# Altium PCB BMS_Carrier_Board.PcbDoc (part 2 of 2)
Units mm, origin at the board's own origin, x right, y up, seen from the top; angles counter-clockwise.
Board outline 65.4 x 73 mm, 2 copper layers (Top Layer, Bottom Layer); 112 components, 82 nets, 454 pads, 145 vias.
Unrouted connection lines stored in the file: 5.
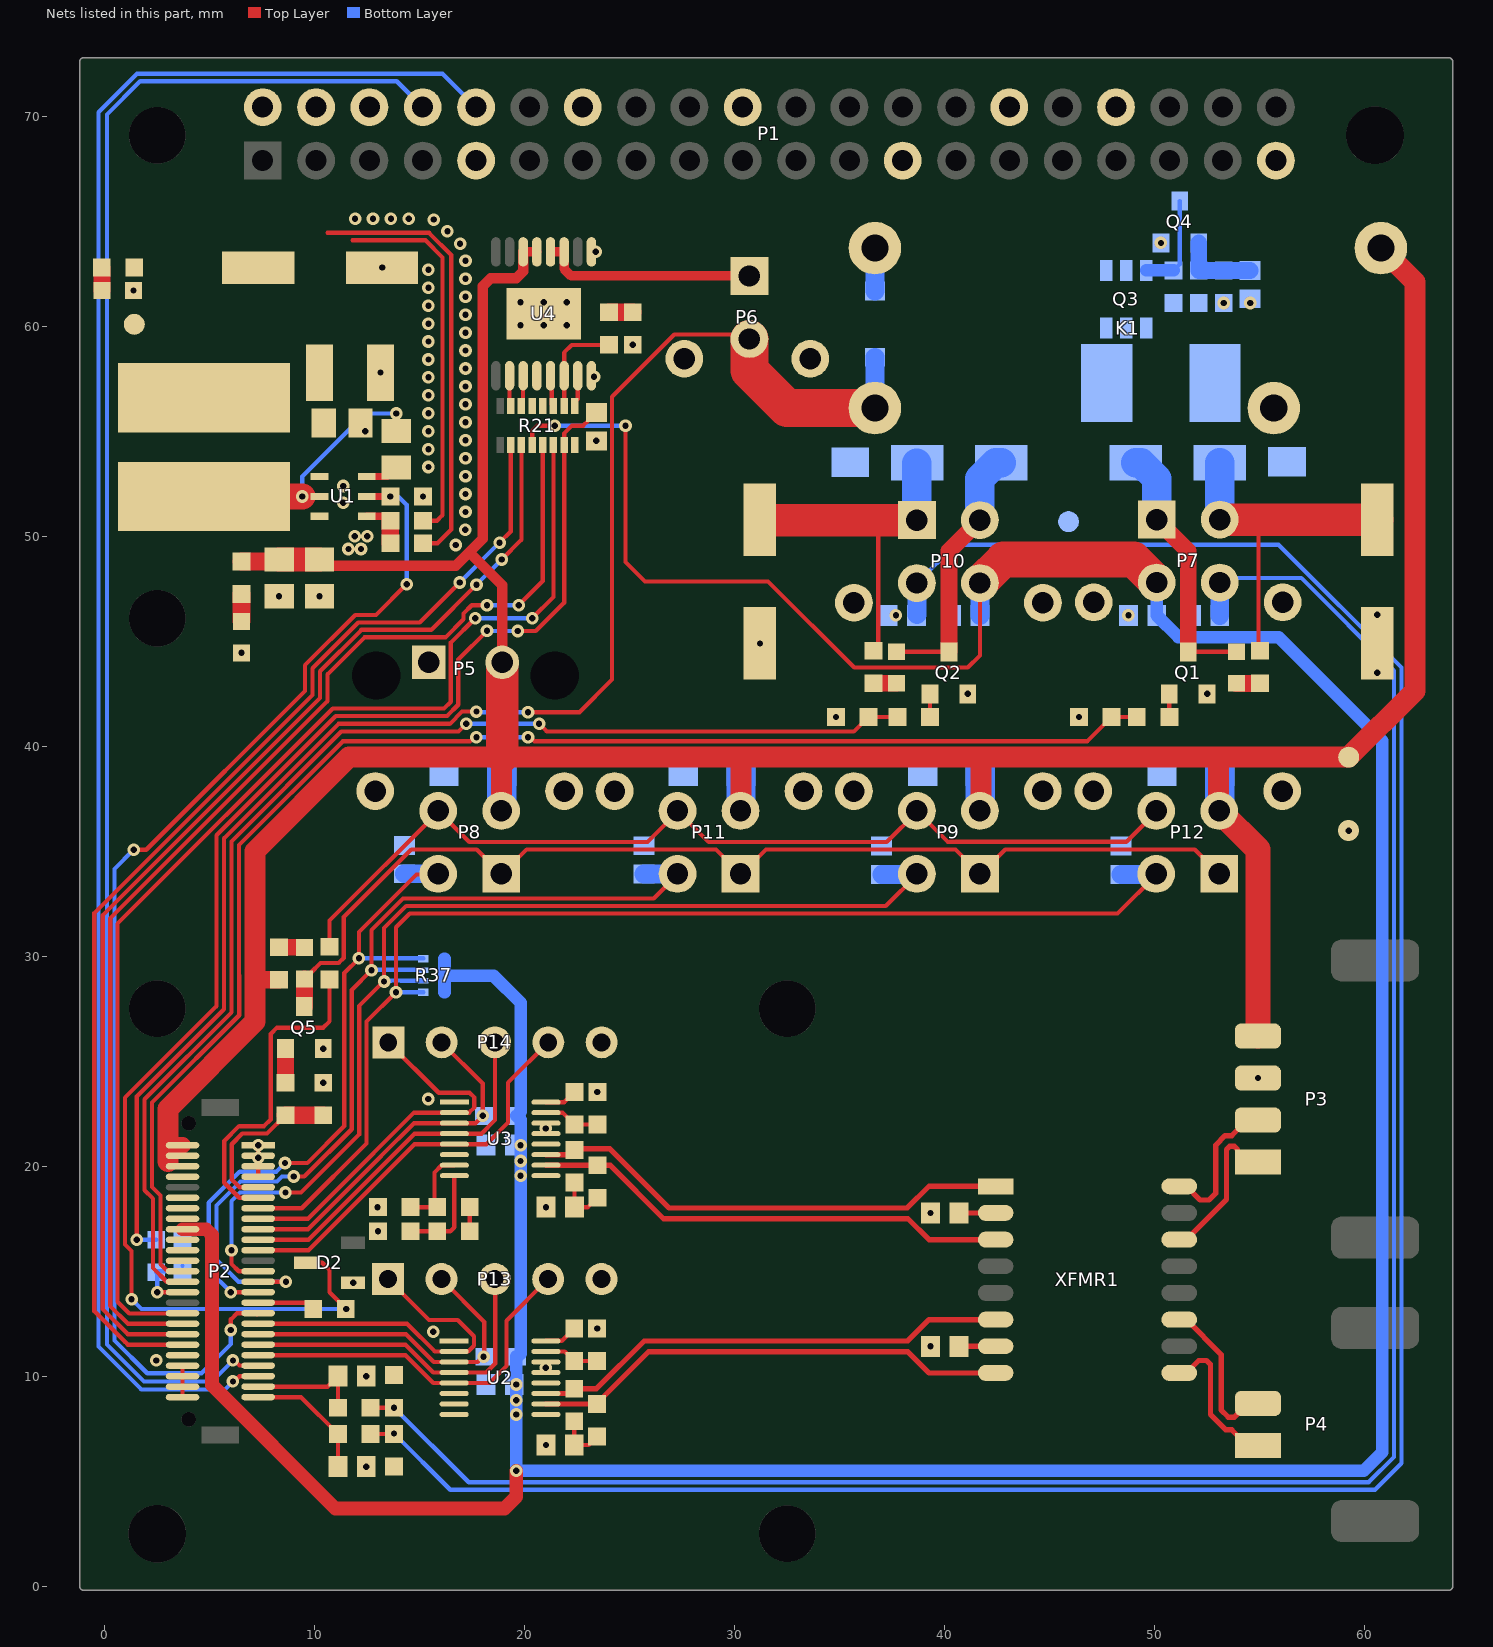
[diagram p2: the nets of this part, all layers, seen from the top]

## Part data (continued)
R29: "10 Ohms ?% 16W Chip Resistor 2512 (6432 Metric) Moisture Resistant Thin Film", Operating Temperature="-55癈 ~ 155癈", Package / Case="2512 (6432 Metric)", Power=16W, Resistance="10 Ohms", Supplier Device Package=2512, Supplier Part Number 1=CPA25Q10.0CT-ND, Temperature Coefficient=?0ppm/癈, Tolerance=?%, ComponentLink1Description=Datasheet, ComponentLink1URL=https://www.susumu.co.jp/common/pdf/CPA.pdf, ComponentLink2Description="Application Note", ComponentLink2URL=https://media.digikey.com/pdf/Data%20Sheets/Susumu%20PDFs/CPA2512%20Series%20Appl%20Note.pdf, Composition="Thin Film", Failure Rate=-, Height - Seated (Max)="0.031\" (0.80mm)", Packaging="Cut Tape (CT)", Part Status=Active, Size / Dimension="0.248\" L x 0.126\" W (6.30mm x 3.20mm)", Supplier 1=Digi-Key
R32: "RES SMD 26.1K OHM 1% 1/10W 0603", Manufacturer 1=Yageo, Manufacturer Part Number 1=RC0603FR-0726K1L, Operating Temperature="-55癈 ~ 155癈", Package / Case="0603 (1608 Metric)", Power=1/10W, Resistance=26.1k, Supplier Device Package=0603, Supplier Part Number 1=311-26.1KHRCT-ND, Temperature Coefficient=?00ppm/癈, Tolerance=?%, ComponentLink1Description=http://www.yageo.com/documents/recent/PYu-RC_Group_51_RoHS_L_7.pdf, ComponentLink1URL=http://www.yageo.com/documents/recent/PYu-RC_Group_51_RoHS_L_7.pdf, Composition="Thick Film", Failure Rate=-, Height - Seated (Max)="0.022\" (0.55mm)", Packaging="Cut Tape (CT)", Part Status=Active, Size / Dimension="0.063\" L x 0.031\" W (1.60mm x 0.80mm)", Supplier 1=Digi-Key
R33 R34 R36: "RES SMD 100K OHM 5% 1/10W 0603", Manufacturer 1=Yageo, Manufacturer Part Number 1=RC0603JR-07100KL, Operating Temperature="-55癈 ~ 155癈", Package / Case="0603 (1608 Metric)", Power=1/10W, Resistance=100k, Supplier Device Package=0603, Supplier Part Number 1=311-100KGRCT-ND, Temperature Coefficient=?00ppm/癈, Tolerance=?%, ComponentLink1Description=http://www.yageo.com/documents/recent/PYu-RC_Group_51_RoHS_L_7.pdf, ComponentLink1URL=http://www.yageo.com/documents/recent/PYu-RC_Group_51_RoHS_L_7.pdf, Composition="Thick Film", Failure Rate=-, Height - Seated (Max)="0.022\" (0.55mm)", Packaging="Cut Tape (CT)", Part Status=Active, Size / Dimension="0.063\" L x 0.031\" W (1.60mm x 0.80mm)", Supplier 1=Digi-Key
R37: library part "RES ARRAY 10K OHM 1% 4RES 0804", "10k Ohm ?% 62.5mW Power Per Element Isolated 4 Resistor Network/Array ?00ppm/癈 0804, Convex, Long Side Terminals", Case/Package=0804, Manufacturer 1="Vishay Dale", Manufacturer Part Number 1=CRA04S08310K0FTD, Max Operating Temperature=155癈, Min Operating Temperature=-55癈, Number of Resistors=4, Package Quantity=1, Power Per Element=62.5mW, Resistance=10kR, Supplier Part Number 1=CRA4S810.0KACT-ND, Temperature Coefficient=100ppm/癈, Tolerance=1%, Circuit Type=Isolated, ComponentLink1Description=https://datasheet.ciiva.com/2689/cra04s-2689817.pdf, ComponentLink1URL=https://datasheet.ciiva.com/2689/cra04s-2689817.pdf, ComponentLink2Description=https://datasheet.ciiva.com/2689/cra04s-2689818.pdf, ComponentLink2URL=https://datasheet.ciiva.com/2689/cra04s-2689818.pdf, ComponentLink3Description=https://datasheet.ciiva.com/2689/cra04s-2689819.pdf, ComponentLink3URL=https://datasheet.ciiva.com/2689/cra04s-2689819.pdf, Depth=1mm, Description 1="RES ARRAY 4 RES 10K OHM 0804", Height=0.022inch, Lead Free="Lead Free", Length=0.079inch, Military Standard=Not, Mount="Surface Mount", Number of Pins=8, Number of Terminals=8, Packaging="Tape and Reel", Pricing 1="1=0.43, 10=0.305, 25=0.226, 50=0.1664, 100=0.1222, 250=0.10096, 500=0.08324, 1000=0.06021, 5000=0.05047 (USD)", Stock 1=131663, Supplier 1=Digi-Key, Terminal Pitch=0.5mm, Termination=Convex, Width=0.039inch
R41 R43: library part "RES 1K OHM 5% 1/10W 0603", "1k Ohm ?% 0.1W, 1/10W Chip Resistor 0603 (1608 Metric)", Manufacturer=Yageo, Manufacturer Part Number=RC0603JR-071KL, Operating Temperature="-55癈 ~ 155癈", Package / Case="0603 (1608 Metric)", Power (Watts)="0.1W, 1/10W", Resistance (Ohms)=1k, Supplier Device Package=0603, Supplier Part Number 1=311-1.0KGRCT-ND, Temperature Coefficient=?00ppm/癈, Tolerance=?%, Category=Resistors, ComponentLink1Description=http://www.yageo.com/documents/recent/PYu-RC_Group_51_RoHS_L_7.pdf, ComponentLink1URL=http://www.yageo.com/documents/recent/PYu-RC_Group_51_RoHS_L_7.pdf, Composition="Thick Film", Failure Rate=-, Features="Moisture Resistant", Height - Seated (Max)="0.022\" (0.55mm)", Packaging="Cut Tape (CT)", Part Status=Active, Pricing 1="1=0.15, 10=0.017, 100=0.0071, 1000=0.0032, 2500=0.00278 (CAD)", RoHS="RoHS Compliant", Size / Dimension="0.063\" L x 0.031\" W (1.60mm x 0.80mm)", Stock 1=4415240, Supplier 1=Digi-Key
U1: "Buck Switching Regulator IC Positive Adjustable 0.6V 1 Output 5A SOT-23-6 Thin, TSOT-23-6", Manufacturer="Texas Instruments", Manufacturer Part Number=TPS565201DDCT, Max Operating Temperature=125癈, Min Operating Temperature=-40癈, Supplier Part Number 1=296-47501-1-ND, Pricing 1="1 = 2.46000, 10 = 2.21100, 100 = 1.77710 (USD)", Stock 1=2226, Supplier 1=Digi-Key
U2 U3: "IC COMM INTERFACE ISOSPI 16-MSOP", Manufacturer="Linear Technology", Manufacturer Part Number=LTC6820IMS#3ZZPBF, Package / Case="16-Lead Plastic MSOP", Supplier Part Number 1=LTC6820IMS#3ZZPBF-ND, Voltage - Supply="2.7 V ~ 5.5 V", Applications="Isolated Communications Interface", Category="Integrated Circuits (ICs)", ComponentLink1Description=http://www.linear.com/docs/42317, ComponentLink1URL=http://www.linear.com/docs/42317, Interface=SPI, Mounting Type="Surface Mount", Packaging=Tube, Part Status=Active, RoHS="RoHS Compliant", Supplier 1=Digi-Key, Supplier Device Package="16-Lead Plastic MSOP"
U4: library part "IC HSD Dual-Channel 40V 1KOhm", "IC HSD Dual-Channel 40V 1KOhm", Manufacturer Part Number=TPS2H000BQPWPRQ1-ND, ComponentLink1Description=Datasheet, ComponentLink1URL=http://www.ti.com/lit/ds/symlink/tps2h000-q1.pdf, Supplier 1=Digi-Key, Supplier Part Number=296-45179-1-ND, Supplier Part Number 1=TPS2H000BQPWPRQ1-ND
XFMR1: "PULSE XFMR 1CT:1CT 350UH SMD", Inductance=350uH, Isolation Voltage=1.5kVrms, Manufacturer="Bourns Inc.", Supplier Part Number 1=PT61018AAPEL-SCT-ND, MFG_PN=PT61018AAPEL-S, Supplier=Digikey, Supplier 1=Digi-Key, Supplier_PN=PT61018AAPEL-SCT-ND

## Free pads (board coordinates)
  round 2.75 hole 2.75: 1(2.5,2.5) 4(60.5,69.1)
  round 1 smd: 5(1.4,60.1) 7(59.243,39.482)
  round 1 smd far side: 9(45.9,50.7)
  round 2.7 hole 2.7: ""(2.5,69.1) ""(2.5,27.5) ""(2.5,46.1) ""(32.5,2.5) ""(32.5,27.5)

## Via types
v1: diameter 0.6, hole 0.3, Top Layer to Bottom Layer, tented both sides, 88 vias
v2: diameter 0.6, hole 0.3, Top Layer to Bottom Layer, tented bottom, 41 vias
v3: diameter 0.6, hole 0.3, Top Layer to Bottom Layer, tented top, 9 vias
v4: diameter 0.6, hole 0.3, Top Layer to Bottom Layer, 6 vias
v5: diameter 1, hole 0.3, Top Layer to Bottom Layer, 1 vias

## Nets (pads, with @x,y where several pads share a name; then routed paths per layer and width w, separated by ;. In a path a pad name is that pad's centre, name@x,y a point inside that pad or via, vN(x,y) a via of type N, cw(c..) or ccw(c..) an arc to the next point about the centre after c; other vN are vias at no path point)
3V3: C7.1 C10.1 C13.1 C16.1 P2.40 P2.41 P2.42 P2.43 P2.44 P2.45 P7.3 P10.4 R7.1 R12.1 R13.1 R14.1 R21.4 R37.1 R37.2 R37.3 R37.4 U2.6 U2.7 U2.8 U2.9 U2.12 U3.6 U3.9 U3.12 | length 192.1
  Top Layer w0.203: R14.1@17.38,16.9 R13.1@17.38,18.05 ; R21.4@20.351,54.346 20.351,55.019 20.605,55.273 v1(21.426,55.273) ; v1(24.8,55.273) 24.8,48.776 25.726,47.85 31.59,47.85 35.691,43.749 41.1,43.749 41.678,44.327 P10.4@41.678,47.777
  Top Layer w0.65: P2.42@3.7,17 4.825,17 5.1,16.725 5.1,9.574 5.102,9.574 10.975,3.7 19.035,3.7 19.6,4.265 v1(19.6,5.5)
  Top Layer w1.7: P10.4@41.678,47.777 42.801,48.9 49,48.9 P7.3@50.099,47.8
  Bottom Layer w0.203: v1(21.426,55.273) v1(24.8,55.273)
  Bottom Layer w0.6: R37.4@16.175,28.289 R37.3@16.175,28.839 16.175,29.07 ; R37.1@16.175,29.889 R37.2@16.175,29.339 16.175,29.07 ; R7.1@19.6,10.947 R7.1@19.622,10.925 19.6,10.903 v3(19.6,9.602) v1(19.6,8.85) v1(19.6,8.174) v1(19.6,5.5) 59.962,5.5 60.846,6.384 60.846,40.254 55.9,45.2 51.138,45.2 C7.1@50.101,46.237 50.099,46.238 P7.3@50.099,47.8 ; R7.1@19.647,10.925 19.8,11.078 v1(19.8,19.549) v1(19.8,20.25) v3(19.8,21) 19.8,22.2 R12.1@19.6,22.4 19.8,22.6 19.8,27.794 18.523,29.07 16.175,29.07
  Bottom Layer w0.9: C10.1@41.678,46.237 P10.4@41.678,47.777
5V: C2.1 C3.1 C4.1 L1.2 P1.2 P1.4 pad.5 R1.1 R5.1 | length 21.9
  Top Layer w0.203: C4.1@7.3,62.8 C4.1@8.195,62.8 ; 10.6,64.455 15.444,64.455 16.5,63.4 16.5,50.327 15.847,49.675 R1.1@15.15,49.675
12V_CONTACTOR_COIL_SW: C19.1 C20.1 C22.1 C23.1 D1.2 D3.2 P7.2 P10.1 pad.9 Q3.1 Q3.2 Q3.5 Q3.6 R22.1 R28.1 R29.2 | length 39.4
  Top Layer w0.203: C22.1@31.2,50.8 C22.1@31.223,50.777 ; R28.1@36.603,44.55 36.832,44.779 36.832,50.777 ; 54.945,50.8 54.945,44.628 R22.1@55.023,44.55
  Top Layer w1.55: C22.1@31.223,50.777 36.832,50.777 P10.1@38.678,50.777 ; P7.2@53.099,50.8 54.945,50.8 C19.1@60.6,50.8
  Bottom Layer w0.203: C23.1@35.5,50.777 C23.1@35.523,50.753 ; D3.2@38.678,53.478 D3.2@38.7,53.5
  Bottom Layer w1.4: C23.1@35.5,50.777 P10.1@38.678,50.777 D3.2@38.678,53.478 ; D1.2@53.099,53.499 P7.2@53.099,50.8 C20.1@56.3,50.8
12V_KILL_SW_to_Relay: D4.2 K1.1 P6.2 R32.1 | length 75.4
  Top Layer w0.203: v1(1.516,16.5) 1.516,23.318 5.674,27.476 5.674,35.615 11.129,41.07 16.431,41.07 17.015,41.654 v1(17.698,41.654) ; v1(20.153,41.625) 22.604,41.625 24.159,43.18 24.159,56.651 27.122,59.614 30.486,59.614 P6.2@30.7,59.4
  Top Layer w1.8: P6.2@30.7,59.4 30.7,57.9 32.49,56.11 K1.1@36.678,56.11
  Bottom Layer w0.203: v1@1.516,16.5 R32.1@2.445,16.5 ; v1(17.698,41.654) 17.727,41.625 v1(20.153,41.625)
  Bottom Layer w0.9: K1.1@36.678,56.11 D4.2@36.678,58.53
+12V: C5.1 C6.1 C25.1 C26.1 C27.1 C28.1 K1.3 P2.47 P2.48 P2.49 P2.50 P3.4 P5.2 P8.3 P9.3 P11.3 P12.3 pad.7 R6.1 R38.1 U1.3 U4.13 U4.14 | length 166.6
  Top Layer w0.203: 7.151,29.155 7.176,29.18 ; C5.1@8.199,48.798 C5.1@8.299,48.898 ; C6.1@10.225,48.898 C6.1@10.525,48.598 ; 18.901,39.482 18.926,39.507
  Top Layer w0.45: U4.14@19.925,63.55 U4.13@20.575,63.55
  Top Layer w0.5: C6.1@10.525,48.598 16.718,48.598 17.36,49.24 ; P5.2@18.926,44 18.926,47.674 17.36,49.24 ; U4.14@19.925,63.55 19.925,62.636 19.589,62.3 18.376,62.3 17.998,61.922 17.998,56.915 18,56.913 18,49.88 17.36,49.24
  Top Layer w0.8: P2.50@3.55,21 P2.50@3.7,21 ; 7.139,34.982 7.151,34.982
  Top Layer w0.85: R6.1@6.5,48.798 C5.1@8.199,48.798 ; 7.176,28.88 R38.1@8.299,28.88
  Top Layer w1: 2.998,20.226 2.998,22.728 7.151,26.881 7.151,29.155 7.151,34.982 ; 7.139,34.982 11.639,39.482 18.901,39.482 ; P8.3@18.901,36.9 18.901,39.482 ; P11.3@30.301,36.9 30.301,39.482 ; P9.3@41.701,36.9 41.726,36.925 41.726,39.482 ; P12.3@53.101,36.9 53.05,36.951 53.05,39.482 ; K1.3@60.778,63.73 62.4,62.108 62.4,42.639 pad.7@59.243,39.482 53.05,39.482 ; 18.901,39.482 30.301,39.482 ; 30.301,39.482 41.726,39.482 ; 41.726,39.482 53.05,39.482
  Top Layer w1.15: C5.1@8.299,48.898 C6.1@10.225,48.898
  Top Layer w1.2: P12.3@53.101,36.9 54.92,35.081 P3.4@54.92,26.2
  Top Layer w1.55: 18.926,39.507 P5.2@18.926,44
  Bottom Layer w1.4: P8.3@18.901,36.9 C25.1@18.901,39 ; P11.3@30.301,36.9 C26.1@30.301,39 ; P9.3@41.701,36.9 C27.1@41.701,39 ; P12.3@53.075,36.925 53.101,36.951 C28.1@53.101,39
CURR_ISOSPI_N: P3.1 XFMR1.14 | length 7.2
  Top Layer w0.254: XFMR1.14@51.175,16.505 51.508,16.505 53.422,18.419 53.422,20.797 53.571,20.946 53.798,20.946 P3.1@53.947,20.797 ; P3.1@53.947,20.673 54.42,20.2 P3.1@54.92,20.2
CURR_ISOSPI_P: P3.2 XFMR1.16 | length 6.9
  Top Layer w0.254: XFMR1.16@51.175,19.045 51.508,19.045 52.163,18.39 52.586,18.39 52.914,18.717 52.914,21.008 53.36,21.454 53.674,21.454 54.42,22.2 P3.2@54.92,22.2
CURR_N: R16.1 U3.10 XFMR1.3 | length 22.9
  Top Layer w0.254: U3.10@21.014,20.049 R16.1@23.456,20.05 ; XFMR1.3@42.425,16.505 39.25,16.505 38.255,17.5 26.616,17.5 24.067,20.05 R16.1@23.456,20.05 ; R16.1@23.456,20.05 R16.1@23.456,20.05
CURR_P: R15.1 U3.11 XFMR1.1 | length 23.1
  Top Layer w0.254: U3.11@21.014,20.549 22.134,20.549 R15.1@22.364,20.78 22.414,20.829 24.051,20.829 26.873,18.008 38.213,18.008 39.25,19.045 XFMR1.1@42.425,19.045
GND: C2.2 C3.2 C4.2 C5.2 C6.2 C7.2 C8.2 C9.2 C10.2 C11.2 C12.2 C13.2 C14.2 C15.2 C16.2 C17.2 C18.2 C19.2 C20.2 C21.2 C22.2 C23.2 C24.2 C25.2 C26.2 C27.2 C28.2 C29.2 C30.2 C31.2 C32.2 D2.3 D4.1 K1.5 LED1.2 LED2.2 P1.6 P1.9 P1.14 P1.20 P1.25 P1.30 P1.34 P1.39 P2.1 P2.2 P2.3 P2.4 P2.26 P2.27 P2.28 P2.29 P3.3 P5.1 P6.0 P7.0 P8.0 P9.0 P10.0 P11.0 P12.0 P13.5 P14.5 Q1.2 Q2.2 Q4.2 Q5.2 R2.2 R3.2 R11.2 R18.2 R19.2 R20.2 R21.8 R26.2 R27.2 R31.2 R35.2 R36.2 R40.2 R42.2 R44.2 U1.1 U2.1 U2.13 U2.14 U3.1 U3.13 U3.14 U4.8 U4.9 U4.17 | length 23
  Top Layer w0.203: P2.26@3.7,9 P2.27@3.7,9.5 P2.28@3.7,10 P2.29@3.7,10.5 ; P2.4@7.3,19.5 P2.3@7.3,20 v2(7.3,20.999) ; 11.8,64.1 15.27,64.1 16.087,63.283 16.087,51.011 15.82,50.745 R2.2@15.15,50.745 ; C4.2@13.2,62.8 v2(13.205,62.804)
  Bottom Layer w0.9: D4.1@36.678,61.69 K1.5@36.678,63.73
  other v1: 2.445,10.75 15.643,12.122 15.4,23.2 11.6,49.4 12.2,49.4 16.715,49.588 11.9,50 12.5,50 17.171,50.31 17.175,51.164 11.35,51.607 17.175,52.018 11.35,52.4 17.175,52.872 15.412,53.301 17.175,53.726 15.412,54.155 17.175,54.58 15.412,55.009 17.175,55.434 15.412,55.863 17.175,56.288 15.412,56.717 17.175,57.142 15.412,57.571 17.175,57.996 15.412,58.425 17.175,58.85 15.412,59.279 17.175,59.704 15.412,60.133 17.175,60.558 15.412,60.987 17.175,61.412 15.412,61.841 17.175,62.266 15.412,62.695 17.175,63.12 16.919,63.935 16.315,64.539 15.661,65.087 11.917,65.13 12.771,65.13 13.625,65.13 14.479,65.13
  other v2: 12.45,5.691 21.007,6.725 12.45,10 21,10.4 39.325,11.425 23.448,12.275 11.825,14.45 13.01,16.9 39.325,17.775 12.985,18.05 21.014,18.05 7.3,20.4 21,21.8 23.456,23.533 10.4,23.975 54.92,24.2 10.4,25.6 34.825,41.4 46.4,41.4 41.1,42.5 52.5,42.5 60.6,43.5 6.51,44.451 31.2,44.9 60.6,46.266 8.299,47.148 10.225,47.148 15.15,51.9 23.405,54.549 12.4,55 23.3,57.6 13.125,57.8 25.14,59.125 1.364,61.71 23.381,63.55
  other v3: 37.678,46.238 48.751,46.237 53.29,61.115 54.55,61.115 50.3,63.975
  other v4: 19.8,60.05 20.9,60.05 22,60.05 19.8,61.15 20.9,61.15 22,61.15
  other v5: 59.243,35.981
I_N: R9.1 U2.10 XFMR1.8 | length 23.1
  Top Layer w0.254: U2.10@21.007,8.674 R9.1@23.448,8.674 R9.1@23.594,8.82 ; R9.1@23.451,8.721 23.572,8.842 25.906,11.176 25.911,11.171 38.234,11.171 39.25,10.155 XFMR1.8@42.425,10.155
I_P: R8.1 U2.11 XFMR1.6 | length 22.9
  Top Layer w0.254: U2.11@21.007,9.174 22.126,9.174 R8.1@22.357,9.405 23.417,9.405 25.691,11.679 38.234,11.679 39.25,12.695 XFMR1.6@42.425,12.695
ISOSPI_N: P4.1 XFMR1.9 | length 7.1
  Top Layer w0.254: XFMR1.9@51.175,10.155 51.508,10.155 52.101,10.748 52.474,10.748 52.66,10.562 52.66,8.179 53.393,7.446 53.674,7.446 54.42,6.7 P4.1@54.92,6.7
ISOSPI_P: P4.2 XFMR1.11 | length 7.5
  Top Layer w0.254: XFMR1.11@51.175,12.695 51.508,12.695 53.168,11.035 53.168,8.389 53.507,8.05 53.798,8.05 54.448,8.7 P4.2@54.92,8.7
NetC1_1: C1.1 U1.6 | length 1.6
  Top Layer w0.203: C1.1@13.45,52.85 C1.1@13.875,53.275
  Top Layer w0.35: U1.6@12.475,52.85 C1.1@13.45,52.85
NetC1_2: C1.2 L1.1 U1.2 | length 13
  Top Layer w0.203: v1(9.4,51.9) U1.2@10.225,51.9 ; C1.2@13.875,55.025 v1(13.875,55.85)
  Top Layer w1.25: L1.1@4.721,51.9 v1(9.4,51.9)
  Bottom Layer w0.203: v1(9.4,51.9) 9.4,52.85 12.4,55.85 v1(13.875,55.85)
NetC14_1: C14.1 XFMR1.7 | length 1.7
  Top Layer w0.254: C14.1@40.675,11.425 XFMR1.7@42.425,11.425
NetC15_1: C15.1 R8.2 R9.2 | length 2.4
  Top Layer w0.203: R8.2@22.357,7.855 C15.1@22.357,6.725 23.049,6.725 R9.2@23.448,7.124
NetC17_1: C17.1 XFMR1.2 | length 1.7
  Top Layer w0.254: C17.1@40.675,17.775 XFMR1.2@42.425,17.775
NetC18_1: C18.1 R15.2 R16.2 | length 2.5
  Top Layer w0.203: R15.2@22.364,19.23 C18.1@22.364,18.05 23.006,18.05 R16.2@23.456,18.5
NetC21_1: C21.1 D2.1 R21.7 R23.2 | length 70.5
  Top Layer w0.203: v1(1.273,13.662) 1.273,15.96 0.962,16.271 0.962,23.267 5.318,27.623 5.318,35.763 11,41.444 16.302,41.444 16.835,41.977 16.835,44.135 v1(18.2,45.5) ; D2.1@9.575,15.4 10.356,15.4 10.7,15.056 10.7,14 v2(11.5,13.2) R23.2@11.475,13.2 ; v1(19.665,45.491) 20.526,45.491 21.875,46.84 R21.7@21.875,54.346 21.875,54.9 22.248,55.273 22.779,55.273 23.007,55.5 23.007,55.55 23.355,55.899 C21.1@23.405,55.899 C21.1@23.455,55.899
  Bottom Layer w0.203: v1(1.273,13.662) 1.279,13.662 1.741,13.2 v2(11.5,13.2) ; v1(18.2,45.5) 18.307,45.5 18.353,45.546 18.408,45.491 v1(19.665,45.491)
NetC24_1: C24.1 Q4.1 R34.2 R36.1 | length 3.8
  Bottom Layer w0.8: Q4.1@52.1,63.975 R34.2@52.1,62.665 R36.1@53.29,62.665 C24.1@54.55,62.665
NetC30_1: C30.1 P10.3 R41.2 R42.1 | length 116.4
  Top Layer w0.203: R41.2@12.65,7.241 R42.1@13.775,7.241
  Bottom Layer w0.203: v2(13.775,7.266) 16.45,4.59 60.49,4.59 61.756,5.856 61.756,40.79 61.756,43.749 55.905,49.6 40.501,49.6 P10.3@38.678,47.777 ; C30.1@38.651,46.238 C30.1@38.678,46.266
  Bottom Layer w0.9: C30.1@38.678,46.266 P10.3@38.678,47.777
NetC32_1: C32.1 P7.4 R43.2 R44.1 | length 100
  Top Layer w0.203: R43.2@12.65,8.5 v2(13.775,8.5)
  Bottom Layer w0.203: v2(13.775,8.5) 17.329,4.946 60.192,4.946 61.4,6.154 61.4,40.643 61.4,43.602 56.987,48.014 53.313,48.014 P7.4@53.099,47.8
  Bottom Layer w0.9: C32.1@53.099,46.237 P7.4@53.099,47.8
NetD1_1: D1.1 LED3.2 P7.1 Q1.3 | length 12.5
  Top Layer w0.203: Q1.3@51.6,44.5 LED3.2@53.9,44.5
  Top Layer w0.8: P7.1@50.099,50.8 51.6,49.3 Q1.3@51.6,44.5
  Bottom Layer w1.4: D1.1@49.1,53.5 49.351,53.5 50.099,52.752 P7.1@50.099,50.8
NetD3_1: D3.1 LED4.2 P10.2 Q2.3 | length 12.7
  Top Layer w0.203: LED4.2@37.7,44.5 Q2.3@40.2,44.5
  Top Layer w0.8: Q2.3@40.2,44.5 40.2,49.299 P10.2@41.678,50.777
  Bottom Layer w1.4: P10.2@41.678,50.777 41.678,52.752 42.426,53.5 D3.1@42.7,53.5
NetK1_2: K1.2 Q3.4 R29.1 R33.2 R34.1
NetLED1_1: LED1.1 R5.2 | length 1.1
  Top Layer w0.203: R5.2@-0.15,62.8 R5.2@-0.136,62.786
  Top Layer w0.8: LED1.1@-0.136,61.71 R5.2@-0.136,62.786
NetLED2_1: LED2.1 R6.2 | length 1.3
  Top Layer w0.203: LED2.1@6.5,45.961 LED2.1@6.51,45.951
  Top Layer w0.85: LED2.1@6.5,45.961 R6.2@6.5,47.248
NetLED3_1: LED3.1 R22.2 | length 1.1
  Top Layer w0.8: LED3.1@53.893,42.998 R22.2@55.023,42.998
NetLED4_1: LED4.1 R28.2 | length 1.1
  Top Layer w0.8: R28.2@36.603,43 LED4.1@37.7,43
NetLED5_1: LED5.1 R38.2 | length 1.2
  Top Layer w0.203: LED5.1@9.496,30.43 LED5.1@9.51,30.416
  Top Layer w0.8: R38.2@8.299,30.43 LED5.1@9.496,30.43
NetLED5_2: LED5.2 P8.1 P9.1 P11.1 P12.1 Q5.3 | length 52.1
  Top Layer w0.203: Q5.3@9.5,27.6 Q5.3@9.51,27.61 ; LED5.2@9.51,28.916 9.808,29.215 9.808,29.218 10.266,29.675 11.134,29.675 11.379,29.92 11.379,31.87 14.597,35.088 17.713,35.088 18.901,33.9 20.088,35.088 29.113,35.088 30.301,33.9 31.488,35.088 40.513,35.088 41.701,33.9 42.888,35.088 51.913,35.088 P12.1@53.101,33.9
  Top Layer w0.8: Q5.3@9.51,27.61 LED5.2@9.51,28.916
NetP6_1: P6.1 U4.11 U4.12 | length 10.4
  Top Layer w0.45: U4.12@21.225,63.55 U4.11@21.875,63.55 21.875,62.737 22.205,62.407 P6.1@30.7,62.407
NetP8_4: P8.4 P9.4 P11.4 P12.4 R4.1 | length 46.4
  Top Layer w0.203: R4.1@10.7,30.45 10.7,31.699 15.901,36.9 17.357,35.443 25.844,35.443 27.301,36.9 28.757,35.443 37.244,35.443 38.701,36.9 40.151,35.45 48.651,35.45 P12.4@50.101,36.9
NetQ1_1: Q1.1 R24.2 | length 1.1
  Top Layer w0.203: R24.2@50.7,41.4 Q1.1@50.7,42.5
NetQ2_1: Q2.1 R30.2 | length 1.1
  Top Layer w0.203: R30.2@39.3,41.4 Q2.1@39.3,42.5
NetQ3_3: Q3.3 Q4.3 R33.1 | length 4.7
  Bottom Layer w0.203: R33.1@50.9,62.665 51.2,62.965 Q4.3@51.2,65.975
  Bottom Layer w0.6: Q3.3@49.6,62.665 R33.1@50.9,62.665
NetQ5_1: Q5.1 R39.1 | length 1.6
  Top Layer w0.8: R39.1@8.6,23.975 Q5.1@8.6,25.6
NetR1_2: R1.2 R2.1 U1.4 | length 2.2
  Top Layer w0.35: U1.4@12.475,50.95 R2.1@13.575,50.95
  Top Layer w0.85: R1.2@13.595,49.675 R2.1@13.595,50.744
NetR10_1: R10.1 U2.16 | length 1.6
  Top Layer w0.203: U2.16@21.007,11.676 21.014,11.683 21.765,11.683 R10.1@22.357,12.275
NetR10_2: R10.2 R11.1 U2.15 | length 2.6
  Top Layer w0.203: U2.15@21.007,11.176 21.906,11.176 R10.2@22.357,10.725 R11.1@23.448,10.725
NetR17_1: R17.1 U3.16 | length 1.5
  Top Layer w0.203: U3.16@21.014,23.051 21.883,23.051 R17.1@22.364,23.533
NetR17_2: R17.2 R20.1 U3.15 | length 2.7
  Top Layer w0.203: U3.15@21.014,22.551 21.797,22.551 R17.2@22.364,21.983 R20.1@23.456,21.983
NetR21_9: R21.9 U4.7 | length 1.5
  Top Layer w0.203: R21.9@22.383,56.2 22.383,56.403 22.525,56.545 U4.7@22.525,57.65
NetR21_10: R21.10 R25.1 U4.6 | length 4.8
  Top Layer w0.203: R21.10@21.875,56.2 U4.6@21.875,57.65 21.875,58.75 22.241,59.116 24.004,59.116 R25.1@24.004,59.125
NetR21_11: R21.11 U4.5 | length 1.5
  Top Layer w0.203: U4.5@21.225,57.65 21.272,57.603 21.272,56.953 21.291,56.934 21.291,56.276 R21.11@21.367,56.2
NetR21_12: R21.12 R21.13 U4.4
NetR21_14: R21.14 U4.3 | length 1.5
  Top Layer w0.203: R21.14@19.843,56.3 R21.14@19.919,56.376 ; R21.14@19.919,56.276 19.919,57.644 U4.3@19.925,57.65
NetR21_15: R21.15 U4.2 | length 1.5
  Top Layer w0.203: U4.2@19.275,57.65 19.275,56.26 R21.15@19.335,56.2
NetR25_2: R25.2 R27.1 | length 1.1
  Top Layer w0.85: R25.2@24.004,60.675 R27.1@25.14,60.675
PA0_HV_GND_RELAY_SENSE: C29.1 P2.25 R41.1 | length 6.1
  Top Layer w0.203: P2.25@7.3,9 9.341,9 R41.1@11.1,7.241 C29.1@11.1,5.691
PA1_HV_PWR_RELAY_SENSE: C31.1 P2.24 R43.1 | length 5.5
  Top Layer w0.203: P2.24@7.3,9.5 10.6,9.5 10.702,9.602 10.752,9.602 C31.1@11.1,9.95 ; R43.1@11.1,8.5 C31.1@11.1,9.95 ; C31.1@11.1,10 C31.1@11.1,9.95
PA2/USART2_TX: P1.10 P2.23 | length 86.9
  Top Layer w0.203: v1(6.1,9.75) 6.172,9.75 6.417,9.996 7.296,9.996 P2.23@7.3,10
  Bottom Layer w0.203: v1(6.1,9.75) 5.72,9.371 1.738,9.371 -0.3,11.409 -0.3,70.2 1.533,72.033 16.087,72.033 P1.10@17.68,70.44
PA3/USART2_RX: P1.8 P2.22 | length 83.2
  Top Layer w0.203: v1(6.1,10.75) 6.172,10.75 6.417,10.504 7.296,10.504 P2.22@7.3,10.5
  Bottom Layer w0.203: v1(6.1,10.75) 5.1,9.75 1.861,9.75 0.1,11.512 0.1,70.097 1.681,71.677 13.902,71.677 P1.8@15.14,70.44
PA4/SPI1_NSS: P2.21 P13.4 U2.5 | length 17.7
  Top Layer w0.203: P2.21@7.3,11 14.315,11 15.495,9.82 15.498,9.82 15.643,9.675 U2.5@16.638,9.675 18.317,9.675 19.127,10.485 19.127,12.64 P13.4@21.112,14.625
PA5/SPI1_SCK: P2.20 P13.3 U2.4 | length 16.1
  Top Layer w0.203: P2.20@7.3,11.5 14.318,11.5 15.643,10.175 U2.4@16.638,10.175 18.167,10.175 18.592,10.6 18.592,14.605 P13.3@18.572,14.625
PA6/SPI1_MISO: P2.19 P13.2 R7.2 U2.3 | length 16
  Top Layer w0.203: P2.19@7.3,12 14.343,12 15.667,10.676 U2.3@16.638,10.676 17.755,10.676 18.004,10.925 18.072,10.925 18.072,12.585 P13.2@16.032,14.625
  other v3: 18.038,10.925
PA7/SPI1_MOSI: P2.18 P13.1 U2.2 | length 16.6
  Top Layer w0.203: P2.18@7.3,12.5 14.395,12.5 15.719,11.176 U2.2@16.638,11.176 17.309,11.176 17.585,11.451 17.585,11.901 16.81,12.676 15.441,12.676 P13.1@13.492,14.625
PA8: C12.1 P2.7 P12.2 R37.5 | length 57.6
  Top Layer w0.203: P2.7@7.3,18 9.381,18 12.467,21.086 12.467,26.889 13.867,28.289 v1(13.867,28.292) 13.867,31.381 14.52,32.035 48.236,32.035 P12.2@50.101,33.9
  Bottom Layer w0.203: v1(13.867,28.292) 13.87,28.289 R37.5@15.175,28.289
  Bottom Layer w0.9: C12.1@48.401,33.9 P12.2@50.101,33.9
PA9_FAN_PWM: P2.6 R4.2 | length 15.7
  Top Layer w0.203: P2.6@7.3,18.5 6.4,18.5 5.685,19.215 5.685,21.197 6.397,21.909 7.581,21.909 7.9,22.228 7.9,26.3 8.2,26.6 10.4,26.6 10.7,26.9 R4.2@10.7,28.9
PA10_FAN_EN: P2.5 R39.2 R40.1 | length 8
  Top Layer w0.203: P2.5@7.3,19 7.299,19.001 6.415,19.001 6.041,19.375 6.041,21.05 6.544,21.553 7.728,21.553 R39.2@8.6,22.425
  Top Layer w0.85: R39.2@8.6,22.425 R40.1@10.4,22.425
PA15: P2.39
PB0_5V_EN: P2.17 R3.1 U1.5 | length 58
  Top Layer w0.203: v1(1.37,35.071) 1.971,35.071 9.532,42.632 9.532,43.867 11.922,46.257 12.909,46.257 v1(14.375,47.723) ; v1(6,12.2) 6,12.706 6.294,13 P2.17@7.3,13 P2.17@7.244,12.944
  Top Layer w0.35: U1.5@12.475,51.9 R3.1@13.575,51.9
  Bottom Layer w0.203: v1(1.37,35.071) 0.456,34.156 0.456,11.705 2.018,10.142 4.606,10.142 6,11.536 v1(6,12.2) ; v2(13.6,51.9) 13.637,51.863 14.012,51.863 14.375,51.5 v1(14.375,47.723)
PB1_HSD_CS: P2.16 R23.1 | length 2.7
  Top Layer w0.203: P2.16@7.3,13.5 9.625,13.5 R23.1@9.925,13.2
PB2: C8.1 P2.15 P8.2 R37.8 | length 33.2
  Top Layer w0.203: v1(6,14) 7.244,14 7.272,13.972 P2.15@7.3,14 ; v1(8.582,20.156) 9.645,20.156 11.4,21.911 11.4,29.2 v1(12.1,29.9) 12.1,31.157 14.843,33.9 P8.2@15.901,33.9
  Bottom Layer w0.203: v1(6,14) 4.944,15.056 4.944,18.258 6.428,19.742 8.168,19.742 v1(8.582,20.156) ; v1(12.1,29.9) 15.164,29.9 R37.8@15.175,29.889 ; P8.2@15.868,33.933 P8.2@15.901,33.9
  Bottom Layer w0.9: C8.1@14.263,33.933 P8.2@15.868,33.933
PB3_HV_PWR_RELAY_EN: P2.38 R24.1 R26.1 | length 68.6
  Top Layer w0.203: P2.38@3.7,15 2.979,15 2.646,15.333 2.646,18.604 2.244,19.006 2.244,23.04 6.397,27.194 6.397,29.092 6.385,29.104 6.385,35.295 11.327,40.236 17.393,40.236 17.591,40.435 v1(17.698,40.435) v1@17.639,40.494 ; v1(20.153,40.435) 20.261,40.435 20.459,40.236 21.697,40.236 46.375,40.236 46.786,40.236 R26.1@47.95,41.4 R24.1@49.15,41.4
  Bottom Layer w0.203: v1(17.698,40.435) v1(20.153,40.435)
PB4_HV_GND_RELAY_EN: P2.37 R30.1 R31.1 | length 58.4
  Top Layer w0.203: P2.37@3.704,14.504 P2.37@3.7,14.5 2.945,14.5 2.29,15.154 2.29,18.457 1.888,18.859 1.888,23.187 6.03,27.329 6.03,35.468 11.261,40.7 16.848,40.7 v1(17.218,41.07) ; v1(20.681,41.07) 21.051,40.7 35.675,40.7 R31.1@36.375,41.4 R30.1@37.75,41.4
  Bottom Layer w0.203: v1(17.218,41.07) v1(20.681,41.07)
PB5_KILL_SWITCH_MONITOR: P2.36 R32.2 R35.1 | length 3.4
  Top Layer w0.203: v1(2.5,14) P2.36@3.7,14
  Bottom Layer w0.203: R32.2@2.445,14.95 2.5,14.895 v1(2.5,14) ; R32.2@2.445,15 R35.1@3.7,15
PB6_HSD_SEL: P2.34 R21.6 | length 57.4
  Top Layer w0.203: P2.34@3.7,13 3.69,12.99 1.16,12.99 0.607,13.544 0.607,31.555 10.852,41.8 16.155,41.8 16.48,42.125 16.48,44.94 v1(17.639,46.1) ; v1(20.351,46.1) 21.367,47.116 R21.6@21.367,54.346
  Bottom Layer w0.203: v1(17.639,46.1) v1(20.351,46.1)
PB7_HSD_\F\A\U\L\T\: P2.33 R21.5 | length 56.9
  Top Layer w0.203: P2.33@3.7,12.5 1.1,12.5 0.251,13.349 0.251,31.802 10.6,42.151 10.6,43.426 12.364,45.19 16.227,45.19 17.085,46.049 17.085,46.329 17.473,46.717 v1(18.2,46.717) ; v1(19.707,46.717) 20.859,47.869 R21.5@20.859,54.346
  Bottom Layer w0.203: v1(18.2,46.717) v1(19.707,46.717)
PB8_DIAG_EN: P2.32 R21.3 | length 55.7
  Top Layer w0.203: P2.32@3.7,12 1.096,12 -0.105,13.201 -0.105,31.949 10.244,42.298 10.244,43.573 12.217,45.546 15.546,45.546 v1(17.7,47.7) ; v1(18.9,48.9) 19.843,49.843 R21.3@19.843,54.346 R21.3@19.847,54.342
  Bottom Layer w0.203: v1(17.7,47.7) v1(18.9,48.9)
PB9_KILL_SWITCH_INPUT_1: P2.31 R21.2 | length 56
  Top Layer w0.203: P2.31@3.7,11.5 1.096,11.5 0.952,11.644 0.949,11.644 -0.5,13.093 -0.5,32.057 9.889,42.446 9.889,43.721 12.069,45.901 15.001,45.901 v1(16.9,47.8) ; v1(18.8,49.7) 19.335,50.235 R21.2@19.335,54.346
  Bottom Layer w0.203: v1(16.9,47.8) v1(18.8,49.7)
PB10/USART3_TX/I2C2_SCL: C11.1 P2.14 P11.2 R37.7 | length 45.3
  Top Layer w0.203: P2.14@7.3,14.5 v1(8.625,14.5) ; v1(8.999,19.509) 9.501,19.509 11.756,21.764 11.756,28.395 v1(12.7,29.339) 12.7,31.244 14.202,32.746 26.147,32.746 P11.2@27.301,33.9
  Bottom Layer w0.203: v1(8.625,14.5) 6.368,14.5 5.318,15.55 5.318,18.129 6.464,19.275 8.204,19.275 8.437,19.509 v1(8.999,19.509) ; v1(12.7,29.339) 12.715,29.354 15.16,29.354 R37.7@15.175,29.339 ; P11.2@27.285,33.916 P11.2@27.301,33.9
  Bottom Layer w0.9: C11.1@25.676,33.916 P11.2@27.285,33.916
PB11/USART3_RX/I2C2_SDA: C9.1 P2.13 P9.2 R37.6 | length 52.2
  Top Layer w0.203: v1(6.03,16) 6.03,15.345 6.375,15 P2.13@7.3,15 ; v1(8.6,18.75) 9.347,18.75 12.111,21.514 12.111,27.633 v1@13.3,28.822 ; v1(13.3,28.8) v1@13.3,28.822 ; P9.2@38.701,33.9 37.191,32.39 14.349,32.39 13.3,31.341 v1@13.3,28.822
  Bottom Layer w0.203: v1(6.03,16) 6.03,18.338 6.442,18.75 v1(8.6,18.75) ; v1(13.3,28.8) 13.339,28.839 13.63,28.839 13.637,28.846 14.096,28.846 14.103,28.839 R37.6@15.175,28.839
  Bottom Layer w0.9: C9.1@37.001,33.9 P9.2@38.701,33.9
PB12/SPI2_NSS: P2.11 P14.4 U3.5 | length 19
  Top Layer w0.203: P2.11@7.3,16 9.699,16 14.749,21.05 U3.5@16.646,21.05 18.175,21.05 19.2,22.075 19.2,23.98 P14.4@21.12,25.9
PB13/SPI2_SCK: P2.10 P14.3 U3.4 | length 17.3
  Top Layer w0.203: P2.10@7.3,16.5 9.697,16.5 14.747,21.55 U3.4@16.646,21.55 17.934,21.55 18.58,22.197 P14.3@18.58,25.9
PB14/SPI2_MISO: P2.9 P14.2 R12.2 U3.3 | length 17.3
  Top Layer w0.203: P2.9@7.3,17 9.681,17 13.178,20.497 13.178,20.504 14.725,22.051 U3.3@16.646,22.051 17.651,22.051 v3(18,22.4) 18,23.94 P14.2@16.04,25.9
PB15/SPI2_MOSI: P2.8 P14.1 U3.2 | length 18.2
  Top Layer w0.203: P2.8@7.3,17.5 9.678,17.5 12.822,20.645 12.822,20.651 14.722,22.551 U3.2@16.646,22.551 17.351,22.551 17.6,22.8 17.6,23.269 17.372,23.497 15.903,23.497 P14.1@13.5,25.9
PC13: P2.30
PHA: R14.2 R19.1 U3.8 | length 4.6
  Top Layer w0.203: R19.1@14.56,16.9 R14.2@15.83,16.9 16.455,16.9 16.646,17.091 U3.8@16.646,19.549
POL: R13.2 R18.1 U3.7 | length 4.1
  Top Layer w0.203: R18.1@14.56,18.05 R13.2@15.83,18.05 15.699,18.181 15.699,19.703 16.044,20.049 U3.7@16.646,20.049
pads on no net: D2.2 P1.1 P1.3 P1.5 P1.7 P1.11 P1.12 P1.13 P1.15 P1.16 P1.17 P1.18 P1.19 P1.21 P1.22 P1.23 P1.24 P1.26 P1.27 P1.28 P1.29 P1.31 P1.32 P1.33 P1.35 P1.36 P1.37 P1.38 P1.40 P2. P2.12 P2.35 P2.46 P3.7 P4.3 P5. R21.1 R21.16 U4.1 U4.10 U4.15 U4.16 XFMR1.4 XFMR1.5 XFMR1.10 XFMR1.12 XFMR1.13 XFMR1.15

## Polygon pours and split planes (outlines as drawn)
3V3 on Top Layer "Top Layer-No Net 2" (solid, pour order 16): 15.917,21.308 21.901,21.308 21.901,19.52 21.426,19.045 20.523,19.045 20.08,18.602 20.08,16.5 15.917,16.5
3V3 on Top Layer "Top Layer-No Net 3" (solid, pour order 8): 15.901,7.952 15.901,9.95 21.683,9.95 21.957,9.676 21.957,7.83 16.023,7.83
3V3 on Top Layer "Top Layer-No Net 4" (solid, pour order 0): 2.845,18.75 2.845,15.725 5.685,15.725 5.685,18.75
GND on Top Layer "Top Layer-GND" (solid, pour order 30): -1,72.6 64,72.6 64,0 -1,0
+12V on Top Layer "Top Layer-+12V" (solid, pour order 20): 4.585,19.275 2.967,19.275 2.5,19.742 2.5,21.5 4.085,21.5 4.585,21
5V on Top Layer "Top Layer-5V" (solid, pour order 18): 0.6,63 5.8,68.2 5.8,71.677 11.35,71.677 11.35,54.65 0.6,54.65
GND on Bottom Layer "Bottom Layer-GND" (solid, pour order 28): -1,72.6 64,72.6 64,0 -1,0
12V_CONTACTOR_COIL_SW on Bottom Layer "Bottom Layer-12V_CONTACTOR_COIL_SW" (solid, pour order 26): 49.1,63.4 49.1,57.124 51.749,54.475 51.75,54.475 54.52,54.475 56.601,52.395 56.601,49.875 34.954,49.875 34.953,49.875 34.953,51.95 46.404,63.4
NetK1_2 on Bottom Layer "Bottom Layer-NetK1_2" (solid, pour order 24): 50.49,61.69 52.665,61.69 55.155,59.2 57.3,57.055 57.3,55.41 56.533,54.643 51.881,54.643 49.24,57.285 49.24,60.441

## Keep-outs
Bottom Layer:
  lines w0.4: -1,0 64,0 64,72.6 -1,72.6 -1,0
Keep-Out Layer:
  lines w0.4: -1,0 64,0 64,72.6 -1,72.6 -1,0

## Other copper
Top Layer:
  rectangle net +12V: 9.7,48.35 10.942,51.15
  rectangle net NetR21_12: 20.351,55.899 20.801,57.894
  pour cut-out: 15.67,51.301 15.67,62.999 14.94,63.73 12.091,63.73 12.091,64.455 15.444,64.455 16.5,63.4 16.5,50.327 16.373,50.2 14.573,50.2 14.573,51.298
  pour cut-out: 40,23.194 40,5.6 57.126,5.6 57.126,23.257
  region: 22.072,8.825
  region: 23.172,9.325
Bottom Layer:
  region: 20.08,9.572
  region: 20.08,9.572

## Silkscreen, mask and mechanical layers (free items; w line width, h text height)
Top Overlay:
  lines w0.254: 0,0 35,0 35,30 0,30 0,0
  text "RX" at 14.483,71.393 h0.8
  text "TX" at 17.1,71.4 h0.8
  text "5V" at 2.047,59.776 h0.8
  text "KILL SWITCH" at 26.4,56.3 h0.8
  text "GND / RELAY" at 42,42.7 h0.8
  text "PWR / RELAY" at 46.1,42.7 h0.8
  text "12V" at 5.318,42.632 h0.8
  text "POWER" at 13.7,40.1 h0.8
  text "FAN1" at 13.69,39.2 h0.8
  text "FAN2" at 25.196,39.2 h0.8
  text "FAN3" at 37.496,39.2 h0.8
  text "FAN4" at 48.916,39.2 h0.8
  text "12V" at 58.3,37.9 h0.8
  text "GND" at 58.17,34.575 h0.8
  text "Current / Sense" at 50.101,27.5 h0.8
  text "12V" at 51.7,25.7 h0.8
  text "GND" at 51.6,23.8 h0.8
  text "IP" at 52.5,21.7 h0.8
  text "IN" at 52.5,19.8 h0.8
  text "AFE" at 53.3,12.4 h0.8
  text "IP" at 52.5,8.3 h0.8
  text "IN" at 52.5,6.3 h0.8
  text "MSXIV BMS CARRIER REV .projectRevision" at 35.8,0.5 h0.8
Bottom Overlay:
  text "GND" at 37.8,65.1 h0.8
  text "12V" at 61.699,65.1 h0.8
  text "HSD" at 29.6,62 h0.8
  text "RELAY" at 29.6,59.1 h0.8
  text "OUTPUT" at 48.3,49.1 h0.8
  text "12V" at 39.7,48.9 h0.8
  text "GND" at 42.7,48.9 h0.8
  text "GND" at 51.1,48.9 h0.8
  text "12V" at 54.1,48.9 h0.8
  text "GND / RELAY" at 36.6,47.7 h0.8
  text "PWR / RELAY" at 57.9,47.7 h0.8
  text "POWER" at 19,45.1 h0.8
  text "3V3" at 42,43.8 h0.8
  text "3V3" at 50.1,43.8 h0.8
  text "SENSE" at 55.1,43.8 h0.8
  text "SENSE" at 39,43.749 h0.8
  text "GND" at 16.5,42.2 h0.8
  text "12V" at 19.9,42.2 h0.8
  text "GND" at 60.3,36.6 h0.8
  text "PWM" at 17,35 h0.8
  text "12V" at 19.875,35 h0.8
  text "PWM" at 28.4,35 h0.8
  text "12V" at 31.255,35 h0.8
  text "PWM" at 39.8,35 h0.8
  text "PWM" at 51.2,35 h0.8
  text "12V" at 54.055,35 h0.8
  text "12V" at 42.655,34.965 h0.8
  text "SENSE" at 17.2,32 h0.8
  text "GND" at 19.92,32 h0.8
  text "SENSE" at 28.58,32 h0.8
  text "GND" at 31.3,32 h0.8
  text "SENSE" at 51.38,32 h0.8
  text "GND" at 54.1,32 h0.8
  text "SENSE" at 39.98,31.965 h0.8
  text "GND" at 42.7,31.965 h0.8
  text "FAN1" at 18.5,30.8 h0.8
  text "FAN2" at 30,30.8 h0.8
  text "FAN3" at 41.3,30.8 h0.8
  text "FAN4" at 52.7,30.8 h0.8
  text "CURRENT SENSE" at 24.301,26.9 h0.8
  text "MOSI" at 13.9,24.9 h0.8 r90
  text "MISO" at 16.4,24.9 h0.8 r90
  text "GND" at 24.051,24.9 h0.8 r90
  text "SCK" at 18.9,24.894 h0.8 r90
  text "NSS" at 21.5,24.894 h0.8 r90
  text "AFE" at 24.4,15.6 h0.8
  text "MOSI" at 13.892,13.625 h0.8 r90
  text "MISO" at 16.392,13.625 h0.8 r90
  text "GND" at 24.044,13.625 h0.8 r90
  text "SCK" at 18.892,13.619 h0.8 r90
  text "NSS" at 21.492,13.619 h0.8 r90